# Altium PCB TwoFoot_PCB_m4T1Top2.PcbDoc (part 2 of 9)
Units mil, origin at the board's own origin, x right, y up, seen from the top; angles counter-clockwise.
Board outline 2525.58 x 2682.53 mil, 2 copper layers (Top Layer, Bottom Layer); 83 components, 113 nets, 349 pads, 87 vias.
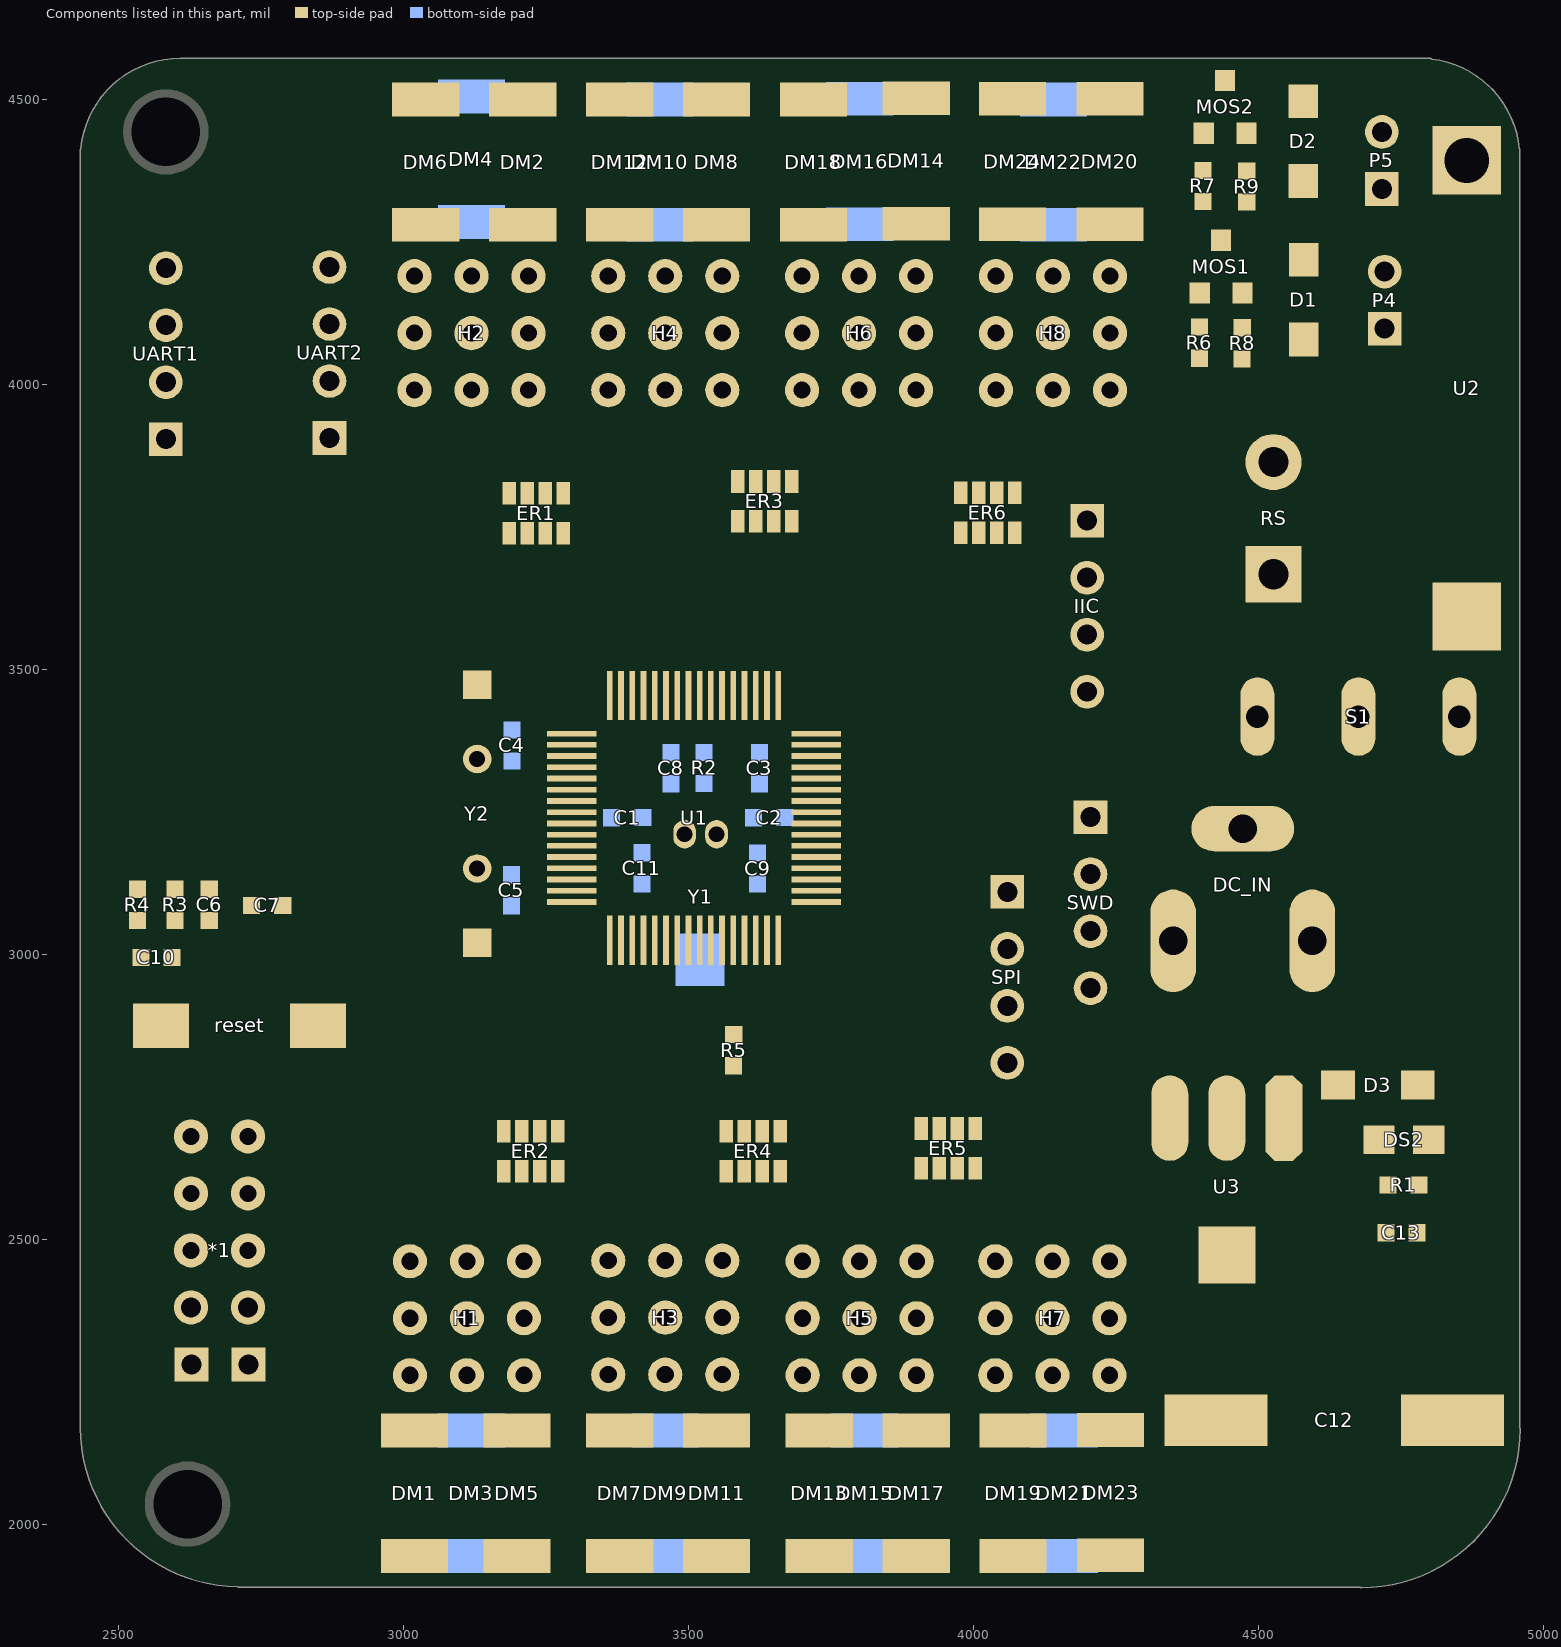
[diagram p2: the components of this part, seen from the top]

## Via types
v1: diameter 24, hole 12, Top Layer to Bottom Layer, 65 vias
v2: diameter 30, hole 20, Top Layer to Bottom Layer, 8 vias
v3: diameter 20, hole 15, Top Layer to Bottom Layer, 8 vias
v4: diameter 32, hole 15, Top Layer to Bottom Layer, 3 vias
v5: diameter 60, hole 45, Top Layer to Bottom Layer, 1 vias
v6: diameter 50, hole 35, Top Layer to Bottom Layer, 1 vias
v7: diameter 30, hole 15, Top Layer to Bottom Layer, 1 vias

## Nets (pads, with @x,y where several pads share a name; then routed paths per layer and width w, separated by ;. In a path a pad name is that pad's centre, name@x,y a point inside that pad or via, vN(x,y) a via of type N, cw(c..) or ccw(c..) an arc to the next point about the centre after c; other vN are vias at no path point) (continued)
copper on no net: (continued)
  Top Layer w0.6: 2532,3474.2 2532,3493.4 ; 2532,3494.6 2532,3495.2 ; 2532.6,3463.4 2532.6,3507.8 ; 2533.2,3455 2533.2,3515.6 ; 2533.8,3450.2 2533.8,3495.2 ; 2533.8,3495.8 2533.8,3522.2 ; 2534.4,3445.4 2534.4,3527.6 ; 2535,3440.6 2535,3531.8 ; 2535.6,3437 2535.6,3536.6 ; 2535.6,3694.4 2535.6,3695 ; 2536.2,3434 2536.2,3539.6 ; 2536.2,3693.8 2536.2,3696.2 ; 2536.8,3431 2536.8,3444.2 ; 2536.8,3444.8 2536.8,3456.8 ; 2536.8,3457.4 2536.8,3462.2 ; 2536.8,3462.8 2536.8,3467 ; 2536.8,3467.6 2536.8,3468.2 ; 2536.8,3468.8 2536.8,3470 ; 2536.8,3470.6 2536.8,3473 ; 2536.8,3473.6 2536.8,3474.8 ; 2536.8,3475.4 2536.8,3476.6 ; 2536.8,3477.2 2536.8,3479 ; 2536.8,3479.6 2536.8,3480.2 ; 2536.8,3480.8 2536.8,3482 ; 2536.8,3482.6 2536.8,3488.6 ; 2536.8,3489.2 2536.8,3489.8 ; 2536.8,3490.4 2536.8,3491.6 ; 2536.8,3492.2 2536.8,3492.8 ; 2536.8,3493.4 2536.8,3495.8 ; 2536.8,3496.4 2536.8,3497 ; 2536.8,3497.6 2536.8,3499.4 ; 2536.8,3500 2536.8,3500.6 ; 2536.8,3501.8 2536.8,3506 ; 2536.8,3506.6 2536.8,3509 ; 2536.8,3509.6 2536.8,3543.2 ; 2536.8,3693.2 2536.8,3694.4 ; 2536.8,3695.6 2536.8,3696.2 ; 2536.8,3716.6 2536.8,3717.2 ; 2536.8,3720.2 2536.8,3722 ; 2536.8,3722.6 2536.8,3725.6 ; 2536.8,3726.8 2536.8,3730.4 ; 2536.8,3731 2536.8,3732.8 ; 2536.8,3733.4 2536.8,3735.8 ; 2536.8,3736.4 2536.8,3737 ; 2536.8,3737.6 2536.8,3738.2 ; 2536.8,3745.4 2536.8,3746 ; 2537.4,3428 2537.4,3433.4 ; 2537.4,3434 2537.4,3443.6 ; 2537.4,3444.2 2537.4,3450.2 ; 2537.4,3450.8 2537.4,3455.6 ; 2537.4,3456.2 2537.4,3458 ; 2537.4,3458.6 2537.4,3461 ; 2537.4,3462.2 2537.4,3464.6 ; 2537.4,3465.2 2537.4,3466.4 ; 2537.4,3467 2537.4,3467.6 ; 2537.4,3468.2 2537.4,3468.8 ; 2537.4,3470 2537.4,3470.6 ; 2537.4,3471.2 2537.4,3471.8 ; 2537.4,3472.4 2537.4,3476.6 ; 2537.4,3477.2 2537.4,3478.4 ; 2537.4,3479.6 2537.4,3481.4 ; 2537.4,3482 2537.4,3483.2 ; 2537.4,3483.8 2537.4,3489.2 ; 2537.4,3489.8 2537.4,3490.4 ; 2537.4,3491.6 2537.4,3492.2 ; 2537.4,3492.8 2537.4,3495.2 ; 2537.4,3495.8 2537.4,3497.6 ; 2537.4,3498.8 2537.4,3499.4 ; 2537.4,3500 2537.4,3502.4 ; 2537.4,3503 2537.4,3504.2 ; 2537.4,3504.8 2537.4,3506 ; 2537.4,3506.6 2537.4,3507.8 ; 2537.4,3508.4 2537.4,3542.6 ; 2537.4,3543.2 2537.4,3546.2 ; 2537.4,3693.2 2537.4,3694.4 ; 2537.4,3695.6 2537.4,3696.2 ; 2537.4,3704.6 2537.4,3705.2 ; 2537.4,3706.4 2537.4,3748.4 ; 2537.4,3749 2537.4,3749.6 ; 2537.4,3750.8 2537.4,3751.4 ; 2537.4,3752.6 2537.4,3755.6 ; 2538,3425.6 2538,3429.8 ; 2538,3430.4 2538,3432.8 ; 2538,3433.4 2538,3446 ; 2538,3447.2 2538,3462.8 ; 2538,3463.4 2538,3467 ; 2538,3467.6 2538,3482.6 ; 2538,3483.2 2538,3488.6 ; 2538,3489.2 2538,3492.2 ; 2538,3492.8 2538,3521.6 ; 2538,3522.2 2538,3525.2 ; 2538,3525.8 2538,3530.6 ; 2538,3531.2 2538,3537.8 ; 2538,3539 2538,3545 ; 2538,3545.6 2538,3546.2 ; 2538,3546.8 2538,3549.8 ; 2538,3561.8 2538,3562.4 ; 2538,3663.2 2538,3663.8 ; 2538,3666.2 2538,3669.2 ; 2538,3671.6 2538,3675.8 ; 2538,3677.6 2538,3679.4 ; 2538,3680.6 2538,3684.2 ; 2538,3687.2 2538,3688.4 ; 2538,3692 2538,3694.4 ; 2538,3695.6 2538,3710.6 ; 2538,3711.2 2538,3711.8 ; 2538,3712.4 2538,3720.8 ; 2538,3721.4 2538,3730.4 ; 2538,3731 2538,3734.6 ; 2538,3735.2 2538,3743.6 ; 2538,3744.2 2538,3744.8 ; 2538,3747.2 2538,3753.2 ; 2538,3755 2538,3758.6 ; 2538.6,3424.4 2538.6,3425 ; 2538.6,3425.6 2538.6,3428.6 ; 2538.6,3429.2 2538.6,3438.8 ; 2538.6,3439.4 2538.6,3444.8 ; 2538.6,3445.4 2538.6,3480.8 ; 2538.6,3481.4 2538.6,3498.8 ; 2538.6,3499.4 2538.6,3510.8 ; 2538.6,3511.4 2538.6,3515.6 ; 2538.6,3516.2 2538.6,3524.6 ; 2538.6,3525.2 2538.6,3546.8 ; 2538.6,3547.4 2538.6,3550.4 ; 2538.6,3662.6 2538.6,3663.8 ; 2538.6,3665 2538.6,3670.4 ; 2538.6,3671 2538.6,3676.4 ; 2538.6,3677 2538.6,3678.2 ; 2538.6,3678.8 2538.6,3685.4 ; 2538.6,3686.6 2538.6,3689.6 ; 2538.6,3690.2 2538.6,3693.8 ; 2538.6,3695.6 2538.6,3699.2 ; 2538.6,3700.4 2538.6,3739.4 ; 2538.6,3740 2538.6,3744.2 ; 2538.6,3746.6 2538.6,3747.2 ; 2538.6,3747.8 2538.6,3753.2 ; 2538.6,3755.6 2538.6,3758.6 ; 2538.6,3769.4 2538.6,3770.6 ; 2538.6,3771.8 2538.6,3772.4 ; 2539.2,3422.6 2539.2,3426.2 ; 2539.2,3428.6 2539.2,3429.8 ; 2539.2,3430.4 2539.2,3432.2 ; 2539.2,3434.6 2539.2,3437.6 ; 2539.2,3439.4 2539.2,3441.8 ; 2539.2,3443 2539.2,3444.8 ; 2539.2,3445.4 2539.2,3447.8 ; 2539.2,3449.6 2539.2,3452 ; 2539.2,3455.6 2539.2,3458.6 ; 2539.2,3461.6 2539.2,3462.8 ; 2539.2,3463.4 2539.2,3464 ; 2539.2,3466.4 2539.2,3468.2 ; 2539.2,3471.8 2539.2,3473.6 ; 2539.2,3477.2 2539.2,3480.2 ; 2539.2,3482 2539.2,3484.4 ; 2539.2,3488 2539.2,3491 ; 2539.2,3492.8 2539.2,3495.2 ; 2539.2,3499.4 2539.2,3500.6 ; 2539.2,3501.8 2539.2,3504.2 ; 2539.2,3506.6 2539.2,3509 ; 2539.2,3510.8 2539.2,3513.8 ; 2539.2,3515.6 2539.2,3521 ; 2539.2,3522.8 2539.2,3526.4 ; 2539.2,3528.2 2539.2,3531.8 ; 2539.2,3533 2539.2,3534.8 ; 2539.2,3535.4 2539.2,3536.6 ; 2539.2,3538.4 2539.2,3542.6 ; 2539.2,3544.4 2539.2,3546.2 ; 2539.2,3546.8 2539.2,3548 ; 2539.2,3549.8 2539.2,3550.4 ; 2539.2,3663.2 2539.2,3666.2 ; 2539.2,3669.2 2539.2,3671.6 ; 2539.2,3675.8 2539.2,3678.2 ; 2539.2,3680 2539.2,3680.6 ; 2539.2,3684.2 2539.2,3687.2 ; 2539.2,3689 2539.2,3690.8 ; 2539.2,3695.6 2539.2,3696.8 ; 2539.2,3699.2 2539.2,3700.4 ; 2539.2,3701.6 2539.2,3704.6 ; 2539.2,3705.8 2539.2,3707 ; 2539.2,3708.8 2539.2,3710 ; 2539.2,3717.8 2539.2,3720.2 ; 2539.2,3727.4 2539.2,3728 ; 2539.2,3728.6 2539.2,3729.8 ; 2539.2,3737 2539.2,3744.2 ; 2539.2,3746 2539.2,3746.6 ; 2539.2,3747.8 2539.2,3749 ; 2539.2,3750.2 2539.2,3752 ; 2539.2,3752.6 2539.2,3753.2 ; 2539.2,3755 2539.2,3758.6 ; 2539.2,3760.4 2539.2,3766.4 ; 2539.2,3767 2539.2,3767.6 ; 2539.2,3769.4 2539.2,3770.6 ; 2539.2,3771.8 2539.2,3772.4 ; 2539.8,3421.4 2539.8,3425.6 ; 2539.8,3428.6 2539.8,3431 ; 2539.8,3434.6 2539.8,3436.4 ; 2539.8,3437 2539.8,3437.6 ; 2539.8,3438.8 2539.8,3441.8 ; 2539.8,3443 2539.8,3447.2 ; 2539.8,3450.8 2539.8,3451.4 ; 2539.8,3456.2 2539.8,3458 ; 2539.8,3461.6 2539.8,3462.8 ; 2539.8,3466.4 2539.8,3467.6 ; 2539.8,3471.8 2539.8,3473.6 ; 2539.8,3477.2 2539.8,3479.6 ; 2539.8,3483.8 2539.8,3484.4 ; 2539.8,3488 2539.8,3490.4 ; 2539.8,3493.4 2539.8,3494.6 ; 2539.8,3499.4 2539.8,3500 ; 2539.8,3501.8 2539.8,3503.6 ; 2539.8,3507.8 2539.8,3509 ; 2539.8,3511.4 2539.8,3513.8 ; 2539.8,3515.6 2539.8,3519.8 ; 2539.8,3523.4 2539.8,3525.2 ; 2539.8,3528.8 2539.8,3530.6 ; 2539.8,3533.6 2539.8,3536 ; 2539.8,3539 2539.8,3542.6 ; 2539.8,3543.8 2539.8,3545 ; 2539.8,3545.6 2539.8,3548 ; 2539.8,3549.2 2539.8,3551 ; 2539.8,3663.8 2539.8,3665 ; 2539.8,3667.4 2539.8,3668 ; 2539.8,3669.8 2539.8,3674.6 ; 2539.8,3676.4 2539.8,3678.2 ; 2539.8,3679.4 2539.8,3683 ; 2539.8,3684.8 2539.8,3686.6 ; 2539.8,3688.4 2539.8,3690.2 ; 2539.8,3692.6 2539.8,3694.4 ; 2539.8,3695.6 2539.8,3697.4 ; 2539.8,3698.6 2539.8,3700.4 ; 2539.8,3701.6 2539.8,3704.6 ; 2539.8,3705.8 2539.8,3707.6 ; 2539.8,3708.2 2539.8,3710 ; 2539.8,3711.2 2539.8,3713.6 ; 2539.8,3714.8 2539.8,3716.6 ; 2539.8,3717.8 2539.8,3719.6 ; 2539.8,3721.4 2539.8,3723.2 ; 2539.8,3725 2539.8,3726.2 ; 2539.8,3728 2539.8,3729.8 ; 2539.8,3731 2539.8,3732.8 ; 2539.8,3734.6 2539.8,3736.4 ; 2539.8,3737.6 2539.8,3743.6 ; 2539.8,3746 2539.8,3747.8 ; 2539.8,3749.6 2539.8,3751.4 ; 2539.8,3752.6 2539.8,3753.2 ; 2539.8,3755.6 2539.8,3758 ; 2539.8,3760.4 2539.8,3762.2 ; 2539.8,3762.8 2539.8,3763.4 ; 2539.8,3765.2 2539.8,3767.6 ; 2539.8,3769.4 2539.8,3771.8 ; 2539.8,3772.4 2539.8,3773 ; 2539.8,3774.8 2539.8,3775.4 ; 2539.8,3777.2 2539.8,3779 ; 2539.8,3780.2 2539.8,3780.8 ; 2540.4,3424.4 2540.4,3425 ; 2540.4,3426.2 2540.4,3428 ; 2540.4,3429.2 2540.4,3430.4 ; 2540.4,3431.6 2540.4,3434 ; 2540.4,3434.6 2540.4,3437.6 ; 2540.4,3438.8 2540.4,3439.4 ; 2540.4,3440 2540.4,3441.2 ; 2540.4,3446 2540.4,3446.6 ; 2540.4,3447.8 2540.4,3449 ; 2540.4,3450.2 2540.4,3453.2 ; 2540.4,3454.4 2540.4,3456.2 ; 2540.4,3456.8 2540.4,3457.4 ; 2540.4,3458.6 2540.4,3462.8 ; 2540.4,3464 2540.4,3465.8 ; 2540.4,3467 2540.4,3469.4 ; 2540.4,3470.6 2540.4,3474.8 ; 2540.4,3476 2540.4,3479 ; 2540.4,3480.2 2540.4,3482 ; 2540.4,3483.2 2540.4,3485.6 ; 2540.4,3486.8 2540.4,3489.8 ; 2540.4,3491.6 2540.4,3492.8 ; 2540.4,3493.4 2540.4,3497.6 ; 2540.4,3498.8 2540.4,3500.6 ; 2540.4,3501.8 2540.4,3503 ; 2540.4,3504.2 2540.4,3506.6 ; 2540.4,3507.8 2540.4,3509 ; 2540.4,3511.4 2540.4,3513.8 ; 2540.4,3515.6 2540.4,3516.2 ; 2540.4,3516.8 2540.4,3519.2 ; 2540.4,3520.4 2540.4,3522.8 ; 2540.4,3523.4 2540.4,3524.6 ; 2540.4,3525.8 2540.4,3530.6 ; 2540.4,3531.8 2540.4,3535.4 ; 2540.4,3536.6 2540.4,3540.8 ; 2540.4,3541.4 2540.4,3542.6 ; 2540.4,3543.8 2540.4,3548 ; 2540.4,3549.2 2540.4,3551 ; 2540.4,3661.4 2540.4,3662 ; 2540.4,3663.2 2540.4,3665 ; 2540.4,3666.2 2540.4,3669.2 ; 2540.4,3670.4 2540.4,3675.2 ; 2540.4,3676.4 2540.4,3677 ; 2540.4,3677.6 2540.4,3684.2 ; 2540.4,3685.4 2540.4,3687.2 ; 2540.4,3688.4 2540.4,3690.2 ; 2540.4,3691.4 2540.4,3694.4 ; 2540.4,3695.6 2540.4,3697.4 ; 2540.4,3698.6 2540.4,3699.2 ; 2540.4,3699.8 2540.4,3700.4 ; 2540.4,3701.6 2540.4,3704.6 ; 2540.4,3705.8 2540.4,3707.6 ; 2540.4,3708.2 2540.4,3710 ; 2540.4,3711.2 2540.4,3712.4 ; 2540.4,3713 2540.4,3713.6 ; 2540.4,3714.8 2540.4,3716.6 ; 2540.4,3717.8 2540.4,3719 ; 2540.4,3721.4 2540.4,3723.2 ; 2540.4,3724.4 2540.4,3726.8 ; 2540.4,3728 2540.4,3729.8 ; 2540.4,3731 2540.4,3733.4 ; 2540.4,3734.6 2540.4,3737 ; 2540.4,3738.2 2540.4,3744.2 ; 2540.4,3746 2540.4,3748.4 ; 2540.4,3749.6 2540.4,3751.4 ; 2540.4,3752 2540.4,3753.2 ; 2540.4,3755 2540.4,3758.6 ; 2540.4,3760.4 2540.4,3763.4 ; 2540.4,3765.2 2540.4,3767.6 ; 2540.4,3769.4 2540.4,3775.4 ; 2540.4,3777.2 2540.4,3779 ; 2540.4,3780.2 2540.4,3780.8 ; 2541,3424.4 2541,3425 ; 2541,3426.2 2541,3428 ; 2541,3429.2 2541,3430.4 ; 2541,3431.6 2541,3437 ; 2541,3438.2 2541,3441.2 ; 2541,3446 2541,3446.6 ; 2541,3447.8 2541,3449.6 ; 2541,3450.8 2541,3453.2 ; 2541,3454.4 2541,3457.4 ; 2541,3458.6 2541,3462.8 ; 2541,3464 2541,3465.8 ; 2541,3467 2541,3469.4 ; 2541,3470.6 2541,3474.8 ; 2541,3476 2541,3479 ; 2541,3480.2 2541,3482 ; 2541,3483.2 2541,3485.6 ; 2541,3486.8 2541,3489.8 ; 2541,3491 2541,3492.8 ; 2541,3494 2541,3497 ; 2541,3498.8 2541,3503 ; 2541,3504.2 2541,3506.6 ; 2541,3507.8 2541,3509 ; 2541,3510.2 2541,3510.8 ; 2541,3512 2541,3513.8 ; 2541,3515.6 2541,3519.2 ; 2541,3520.4 2541,3524.6 ; 2541,3525.8 2541,3528.2 ; 2541,3528.8 2541,3530 ; 2541,3531.2 2541,3535.4 ; 2541,3536.6 2541,3539.6 ; 2541,3540.2 2541,3542 ; 2541,3543.2 2541,3547.4 ; 2541,3548.6 2541,3551.6 ; 2541,3661.4 2541,3662 ; 2541,3663.2 2541,3665 ; 2541,3666.2 2541,3667.4 ; 2541,3668 2541,3669.2 ; 2541,3670.4 2541,3672.2 ; 2541,3672.8 2541,3675.2 ; 2541,3677 2541,3678.2 ; 2541,3678.8 2541,3684.2 ; 2541,3685.4 2541,3687.2 ; 2541,3688.4 2541,3690.2 ; 2541,3691.4 2541,3694.4 ; 2541,3695.6 2541,3697.4 ; 2541,3699.2 2541,3700.4 ; 2541,3702.2 2541,3704.6 ; 2541,3705.8 2541,3710 ; 2541,3711.2 2541,3713.6 ; 2541,3714.8 2541,3716.6 ; 2541,3718.4 2541,3720.2 ; 2541,3722 2541,3723.2 ; 2541,3724.4 2541,3726.8 ; 2541,3728 2541,3729.8 ; 2541,3731 2541,3732.2 ; 2541,3732.8 2541,3733.4 ; 2541,3734.6 2541,3736.4 ; 2541,3738.2 2541,3739.4 ; 2541,3740 2541,3744.2 ; 2541,3746 2541,3746.6 ; 2541,3747.2 2541,3747.8 ; 2541,3749 2541,3749.6 ; 2541,3752 2541,3753.2 ; 2541,3755 2541,3758.6 ; 2541,3761 2541,3767.6 ; 2541,3769.4 2541,3774.2 ; 2541,3774.8 2541,3776 ; 2541,3777.2 2541,3778.4 ; 2541,3779.6 2541,3780.8 ; 2541.6,3421.4 2541.6,3423.2 ; 2541.6,3423.8 2541.6,3425.6 ; 2541.6,3426.8 2541.6,3428 ; 2541.6,3429.2 2541.6,3430.4 ; 2541.6,3431.6 2541.6,3435.8 ; 2541.6,3436.4 2541.6,3437 ; 2541.6,3438.2 2541.6,3441.8 ; 2541.6,3443 2541.6,3444.2 ; 2541.6,3445.4 2541.6,3446.6 ; 2541.6,3447.8 2541.6,3449.6 ; 2541.6,3450.8 2541.6,3453.2 ; 2541.6,3454.4 2541.6,3457.4 ; 2541.6,3458.6 2541.6,3462.8 ; 2541.6,3464 2541.6,3465.8 ; 2541.6,3467 2541.6,3469.4 ; 2541.6,3470.6 2541.6,3474.8 ; 2541.6,3476 2541.6,3479 ; 2541.6,3480.2 2541.6,3482 ; 2541.6,3483.2 2541.6,3485.6 ; 2541.6,3486.8 2541.6,3488 ; 2541.6,3488.6 2541.6,3489.8 ; 2541.6,3491 2541.6,3492.8 ; 2541.6,3494 2541.6,3496.4 ; 2541.6,3497.6 2541.6,3499.4 ; 2541.6,3500 2541.6,3503 ; 2541.6,3504.2 2541.6,3506.6 ; 2541.6,3507.8 2541.6,3509 ; 2541.6,3510.2 2541.6,3511.4 ; 2541.6,3512.6 2541.6,3513.8 ; 2541.6,3515.6 2541.6,3519.2 ; 2541.6,3520.4 2541.6,3524.6 ; 2541.6,3525.8 2541.6,3530 ; 2541.6,3531.2 2541.6,3531.8 ; 2541.6,3533 2541.6,3535.4 ; 2541.6,3536.6 2541.6,3542 ; 2541.6,3543.2 2541.6,3547.4 ; 2541.6,3548.6 2541.6,3551.6 ; 2541.6,3661.4 2541.6,3662 ; 2541.6,3663.2 2541.6,3664.4 ; 2541.6,3666.2 2541.6,3666.8 ; 2541.6,3668.6 2541.6,3669.2 ; 2541.6,3670.4 2541.6,3675.2 ; 2541.6,3677 2541.6,3684.2 ; 2541.6,3685.4 2541.6,3686.6 ; 2541.6,3688.4 2541.6,3689.6 ; 2541.6,3691.4 2541.6,3694.4 ; 2541.6,3695.6 2541.6,3696.8 ; 2541.6,3698.6 2541.6,3700.4 ; 2541.6,3701.6 2541.6,3704.6 ; 2541.6,3705.8 2541.6,3710 ; 2541.6,3711.2 2541.6,3713.6 ; 2541.6,3714.8 2541.6,3716.6 ; 2541.6,3718.4 2541.6,3719.6 ; 2541.6,3721.4 2541.6,3723.2 ; 2541.6,3724.4 2541.6,3726.8 ; 2541.6,3728 2541.6,3729.8 ; 2541.6,3731 2541.6,3733.4 ; 2541.6,3734.6 2541.6,3736.4 ; 2541.6,3738.2 2541.6,3741.8 ; 2541.6,3742.4 2541.6,3744.2 ; 2541.6,3749 2541.6,3749.6 ; 2541.6,3752 2541.6,3753.2 ; 2541.6,3755 2541.6,3758.6 ; 2541.6,3760.4 2541.6,3763.4 ; 2541.6,3765.2 2541.6,3767.6 ; 2541.6,3769.4 2541.6,3774.8 ; 2541.6,3777.2 2541.6,3778.4 ; 2541.6,3779.6 2541.6,3780.8 ; 2542.2,3421.4 2542.2,3422.6 ; 2542.2,3423.8 2542.2,3426.2 ; 2542.2,3428.6 2542.2,3431 ; 2542.2,3434.6 2542.2,3437 ; 2542.2,3437.6 2542.2,3441.8 ; 2542.2,3443 2542.2,3444.2 ; 2542.2,3445.4 2542.2,3446.6 ; 2542.2,3450.8 2542.2,3453.2 ; 2542.2,3454.4 2542.2,3455.6 ; 2542.2,3456.2 2542.2,3458 ; 2542.2,3461 2542.2,3461.6 ; 2542.2,3462.2 2542.2,3462.8 ; 2542.2,3464 2542.2,3465.8 ; 2542.2,3467 2542.2,3469.4 ; 2542.2,3470.6 2542.2,3473 ; 2542.2,3473.6 2542.2,3474.8 ; 2542.2,3476 2542.2,3477.2 ; 2542.2,3477.8 2542.2,3479 ; 2542.2,3483.2 2542.2,3485.6 ; 2542.2,3486.8 2542.2,3489.8 ; 2542.2,3491 2542.2,3492.8 ; 2542.2,3494 2542.2,3495.2 ; 2542.2,3497 2542.2,3497.6 ; 2542.2,3498.2 2542.2,3500 ; 2542.2,3501.8 2542.2,3503 ; 2542.2,3504.2 2542.2,3506.6 ; 2542.2,3507.8 2542.2,3509 ; 2542.2,3510.2 2542.2,3511.4 ; 2542.2,3513.2 2542.2,3513.8 ; 2542.2,3515.6 2542.2,3519.8 ; 2542.2,3523.4 2542.2,3525.2 ; 2542.2,3528.2 2542.2,3530 ; 2542.2,3533.6 2542.2,3536 ; 2542.2,3539 2542.2,3542 ; 2542.2,3542.6 2542.2,3544.4 ; 2542.2,3545 2542.2,3547.4 ; 2542.2,3548 2542.2,3549.8 ; 2542.2,3550.4 2542.2,3552.2 ; 2542.2,3660.2 2542.2,3662 ; 2542.2,3663.2 2542.2,3665 ; 2542.2,3666.2 2542.2,3668.6 ; 2542.2,3670.4 2542.2,3672.8 ; 2542.2,3673.4 2542.2,3675.2 ; 2542.2,3676.4 2542.2,3683 ; 2542.2,3683.6 2542.2,3684.2 ; 2542.2,3685.4 2542.2,3687.2 ; 2542.2,3688.4 2542.2,3690.2 ; 2542.2,3691.4 2542.2,3694.4 ; 2542.2,3695.6 2542.2,3697.4 ; 2542.2,3698.6 2542.2,3700.4 ; 2542.2,3701.6 2542.2,3704.6 ; 2542.2,3705.8 2542.2,3710 ; 2542.2,3711.2 2542.2,3713.6 ; 2542.2,3714.8 2542.2,3716.6 ; 2542.2,3718.4 2542.2,3719.6 ; 2542.2,3721.4 2542.2,3723.2 ; 2542.2,3724.4 2542.2,3726.8 ; 2542.2,3728 2542.2,3729.8 ; 2542.2,3731 2542.2,3733.4 ; 2542.2,3734.6 2542.2,3737 ; 2542.2,3737.6 2542.2,3741.8 ; 2542.2,3742.4 2542.2,3744.2 ; 2542.2,3746 2542.2,3746.6 ; 2542.2,3748.4 2542.2,3749.6 ; 2542.2,3751.4 2542.2,3753.2 ; 2542.2,3755 2542.2,3758 ; 2542.2,3760.4 2542.2,3761 ; 2542.2,3761.6 2542.2,3763.4 ; 2542.2,3765.2 2542.2,3767 ; 2542.2,3769.4 2542.2,3773.6 ; 2542.2,3774.2 2542.2,3775.4 ; 2542.2,3777.2 2542.2,3778.4 ; 2542.2,3779.6 2542.2,3780.8 ; 2542.8,3421.4 2542.8,3422.6 ; 2542.8,3423.2 2542.8,3426.2 ; 2542.8,3428.6 2542.8,3429.8 ; 2542.8,3430.4 2542.8,3431.6 ; 2542.8,3434 2542.8,3436.4 ; 2542.8,3437.6 2542.8,3438.2 ; 2542.8,3438.8 2542.8,3441.8 ; 2542.8,3443 2542.8,3444.2 ; 2542.8,3444.8 2542.8,3447.8 ; 2542.8,3449 2542.8,3449.6 ; 2542.8,3450.8 2542.8,3453.2 ; 2542.8,3454.4 2542.8,3458.6 ; 2542.8,3461.6 2542.8,3462.8 ; 2542.8,3464 2542.8,3465.8 ; 2542.8,3467 2542.8,3469.4 ; 2542.8,3470.6 2542.8,3474.8 ; 2542.8,3476 2542.8,3477.2 ; 2542.8,3477.8 2542.8,3479.6 ; 2542.8,3483.2 2542.8,3485.6 ; 2542.8,3486.8 2542.8,3488 ; 2542.8,3488.6 2542.8,3489.8 ; 2542.8,3491 2542.8,3492.8 ; 2542.8,3494 2542.8,3495.2 ; 2542.8,3496.4 2542.8,3497 ; 2542.8,3497.6 2542.8,3500 ; 2542.8,3501.8 2542.8,3503.6 ; 2542.8,3507.2 2542.8,3509 ; 2542.8,3510.2 2542.8,3512 ; 2542.8,3513.2 2542.8,3513.8 ; 2542.8,3515.6 2542.8,3518.6 ; 2542.8,3519.2 2542.8,3520.4 ; 2542.8,3522.8 2542.8,3523.4 ; 2542.8,3524 2542.8,3525.8 ; 2542.8,3528.2 2542.8,3530 ; 2542.8,3531.2 2542.8,3533 ; 2542.8,3534.2 2542.8,3536.6 ; 2542.8,3539 2542.8,3541.4 ; 2542.8,3542.6 2542.8,3543.8 ; 2542.8,3544.4 2542.8,3545 ; 2542.8,3545.6 2542.8,3546.8 ; 2542.8,3548 2542.8,3552.2 ; 2542.8,3660.2 2542.8,3662 ; 2542.8,3663.2 2542.8,3663.8 ; 2542.8,3664.4 2542.8,3665 ; 2542.8,3666.2 2542.8,3668.6 ; 2542.8,3670.4 2542.8,3675.2 ; 2542.8,3676.4 2542.8,3684.2 ; 2542.8,3685.4 2542.8,3687.2 ; 2542.8,3689 2542.8,3690.2 ; 2542.8,3691.4 2542.8,3694.4 ; 2542.8,3695.6 2542.8,3697.4 ; 2542.8,3699.2 2542.8,3699.8 ; 2542.8,3701.6 2542.8,3704.6 ; 2542.8,3705.8 2542.8,3710 ; 2542.8,3711.2 2542.8,3713.6 ; 2542.8,3714.8 2542.8,3716.6 ; 2542.8,3718.4 2542.8,3719.6 ; 2542.8,3721.4 2542.8,3723.2 ; 2542.8,3724.4 2542.8,3726.8 ; 2542.8,3728 2542.8,3729.8 ; 2542.8,3731 2542.8,3733.4 ; 2542.8,3734.6 2542.8,3735.8 ; 2542.8,3737.6 2542.8,3741.8 ; 2542.8,3742.4 2542.8,3744.2 ; 2542.8,3746 2542.8,3746.6 ; 2542.8,3749 2542.8,3750.2 ; 2542.8,3751.4 2542.8,3752 ; 2542.8,3752.6 2542.8,3753.2 ; 2542.8,3755 2542.8,3758.6 ; 2542.8,3760.4 2542.8,3761.6 ; 2542.8,3762.8 2542.8,3765.8 ; 2542.8,3766.4 2542.8,3767.6 ; 2542.8,3769.4 2542.8,3772.4 ; 2542.8,3773 2542.8,3774.2 ; 2542.8,3777.2 2542.8,3778.4 ; 2542.8,3780.2 2542.8,3780.8 ; 2543.4,3421.4 2543.4,3422 ; 2543.4,3422.6 2543.4,3425 ; 2543.4,3426.2 2543.4,3428 ; 2543.4,3429.2 2543.4,3431 ; 2543.4,3432.2 2543.4,3436.4 ; 2543.4,3437 2543.4,3441.8 ; 2543.4,3443 2543.4,3443.6 ; 2543.4,3444.2 2543.4,3449.6 ; 2543.4,3450.8 2543.4,3453.2 ; 2543.4,3454.4 2543.4,3458 ; 2543.4,3459.2 2543.4,3462.8 ; 2543.4,3464 2543.4,3465.8 ; 2543.4,3467 2543.4,3469.4 ; 2543.4,3470.6 2543.4,3474.8 ; 2543.4,3476 2543.4,3482 ; 2543.4,3482.6 2543.4,3485.6 ; 2543.4,3486.8 2543.4,3487.4 ; 2543.4,3488 2543.4,3489.8 ; 2543.4,3491 2543.4,3492.8 ; 2543.4,3494 2543.4,3495.2 ; 2543.4,3496.4 2543.4,3499.4 ; 2543.4,3501.8 2543.4,3504.2 ; 2543.4,3507.2 2543.4,3509 ; 2543.4,3510.2 2543.4,3510.8 ; 2543.4,3511.4 2543.4,3512.6 ; 2543.4,3515.6 2543.4,3519.8 ; 2543.4,3521 2543.4,3524 ; 2543.4,3524.6 2543.4,3525.2 ; 2543.4,3526.4 2543.4,3530 ; 2543.4,3531.2 2543.4,3533 ; 2543.4,3534.2 2543.4,3537.8 ; 2543.4,3539 2543.4,3541.4 ; 2543.4,3542 2543.4,3546.8 ; 2543.4,3548 2543.4,3551.6 ; 2543.4,3661.4 2543.4,3662 ; 2543.4,3663.2 2543.4,3665 ; 2543.4,3667.4 2543.4,3668 ; 2543.4,3669.8 2543.4,3674 ; 2543.4,3676.4 2543.4,3681.2 ; 2543.4,3684.8 2543.4,3687.2 ; 2543.4,3688.4 2543.4,3690.2 ; 2543.4,3693.2 2543.4,3693.8 ; 2543.4,3695.6 2543.4,3697.4 ; 2543.4,3698.6 2543.4,3701 ; 2543.4,3702.8 2543.4,3704 ; 2543.4,3705.8 2543.4,3710 ; 2543.4,3711.2 2543.4,3713.6 ; 2543.4,3714.8 2543.4,3716.6 ; 2543.4,3718.4 2543.4,3719.6 ; 2543.4,3721.4 2543.4,3723.2 ; 2543.4,3724.4 2543.4,3726.8 ; 2543.4,3728 2543.4,3729.2 ; 2543.4,3731 2543.4,3733.4 ; 2543.4,3734.6 2543.4,3735.8 ; 2543.4,3738.2 2543.4,3744.2 ; 2543.4,3746 2543.4,3747.2 ; 2543.4,3748.4 2543.4,3750.2 ; 2543.4,3751.4 2543.4,3752 ; 2543.4,3752.6 2543.4,3753.2 ; 2543.4,3755 2543.4,3758.6 ; 2543.4,3760.4 2543.4,3761 ; 2543.4,3764 2543.4,3764.6 ; 2543.4,3765.8 2543.4,3768.2 ; 2543.4,3769.4 2543.4,3773 ; 2543.4,3774.8 2543.4,3775.4 ; 2543.4,3777.2 2543.4,3777.8 ; 2543.4,3780.2 2543.4,3780.8 ; 2543.4,3781.4 2543.4,3782.6 ; 2543.4,3786.8 2543.4,3788.6 ; 2544,3422.6 2544,3425 ; 2544,3426.2 2544,3428 ; 2544,3429.2 2544,3429.8 ; 2544,3430.4 2544,3431 ; 2544,3432.2 2544,3436.4 ; 2544,3437 2544,3441.8 ; 2544,3444.2 2544,3449 ; 2544,3450.2 2544,3453.2 ; 2544,3454.4 2544,3458 ; 2544,3459.2 2544,3461 ; 2544,3461.6 2544,3462.8 ; 2544,3464 2544,3465.8 ; 2544,3466.4 2544,3469.4 ; 2544,3470.6 2544,3474.8 ; 2544,3476 2544,3477.8 ; 2544,3478.4 2544,3481.4 ; 2544,3483.2 2544,3485.6 ; 2544,3486.8 2544,3489.8 ; 2544,3491 2544,3492.2 ; 2544,3493.4 2544,3495.2 ; 2544,3496.4 2544,3498.2 ; 2544,3498.8 2544,3500 